# Altium PCB spd150.PcbDoc (part 3 of 16)
Units mm, origin at the board's own origin, x right, y up, seen from the top; angles counter-clockwise.
Board outline 217.35 x 147.5 mm, 10 copper layers (TOP, LYR2-PLN, LYR3-SIG, LYR4-SIG, LYR5-PLN, LYR6-PLN, LYR7-SIG, LYR8-SIG, LYR9-PLN, BOTTOM), stack 2.134 mm thick; 1065 components, 972 nets, 4226 pads, 2810 vias.
Unrouted connection lines stored in the file: 16.
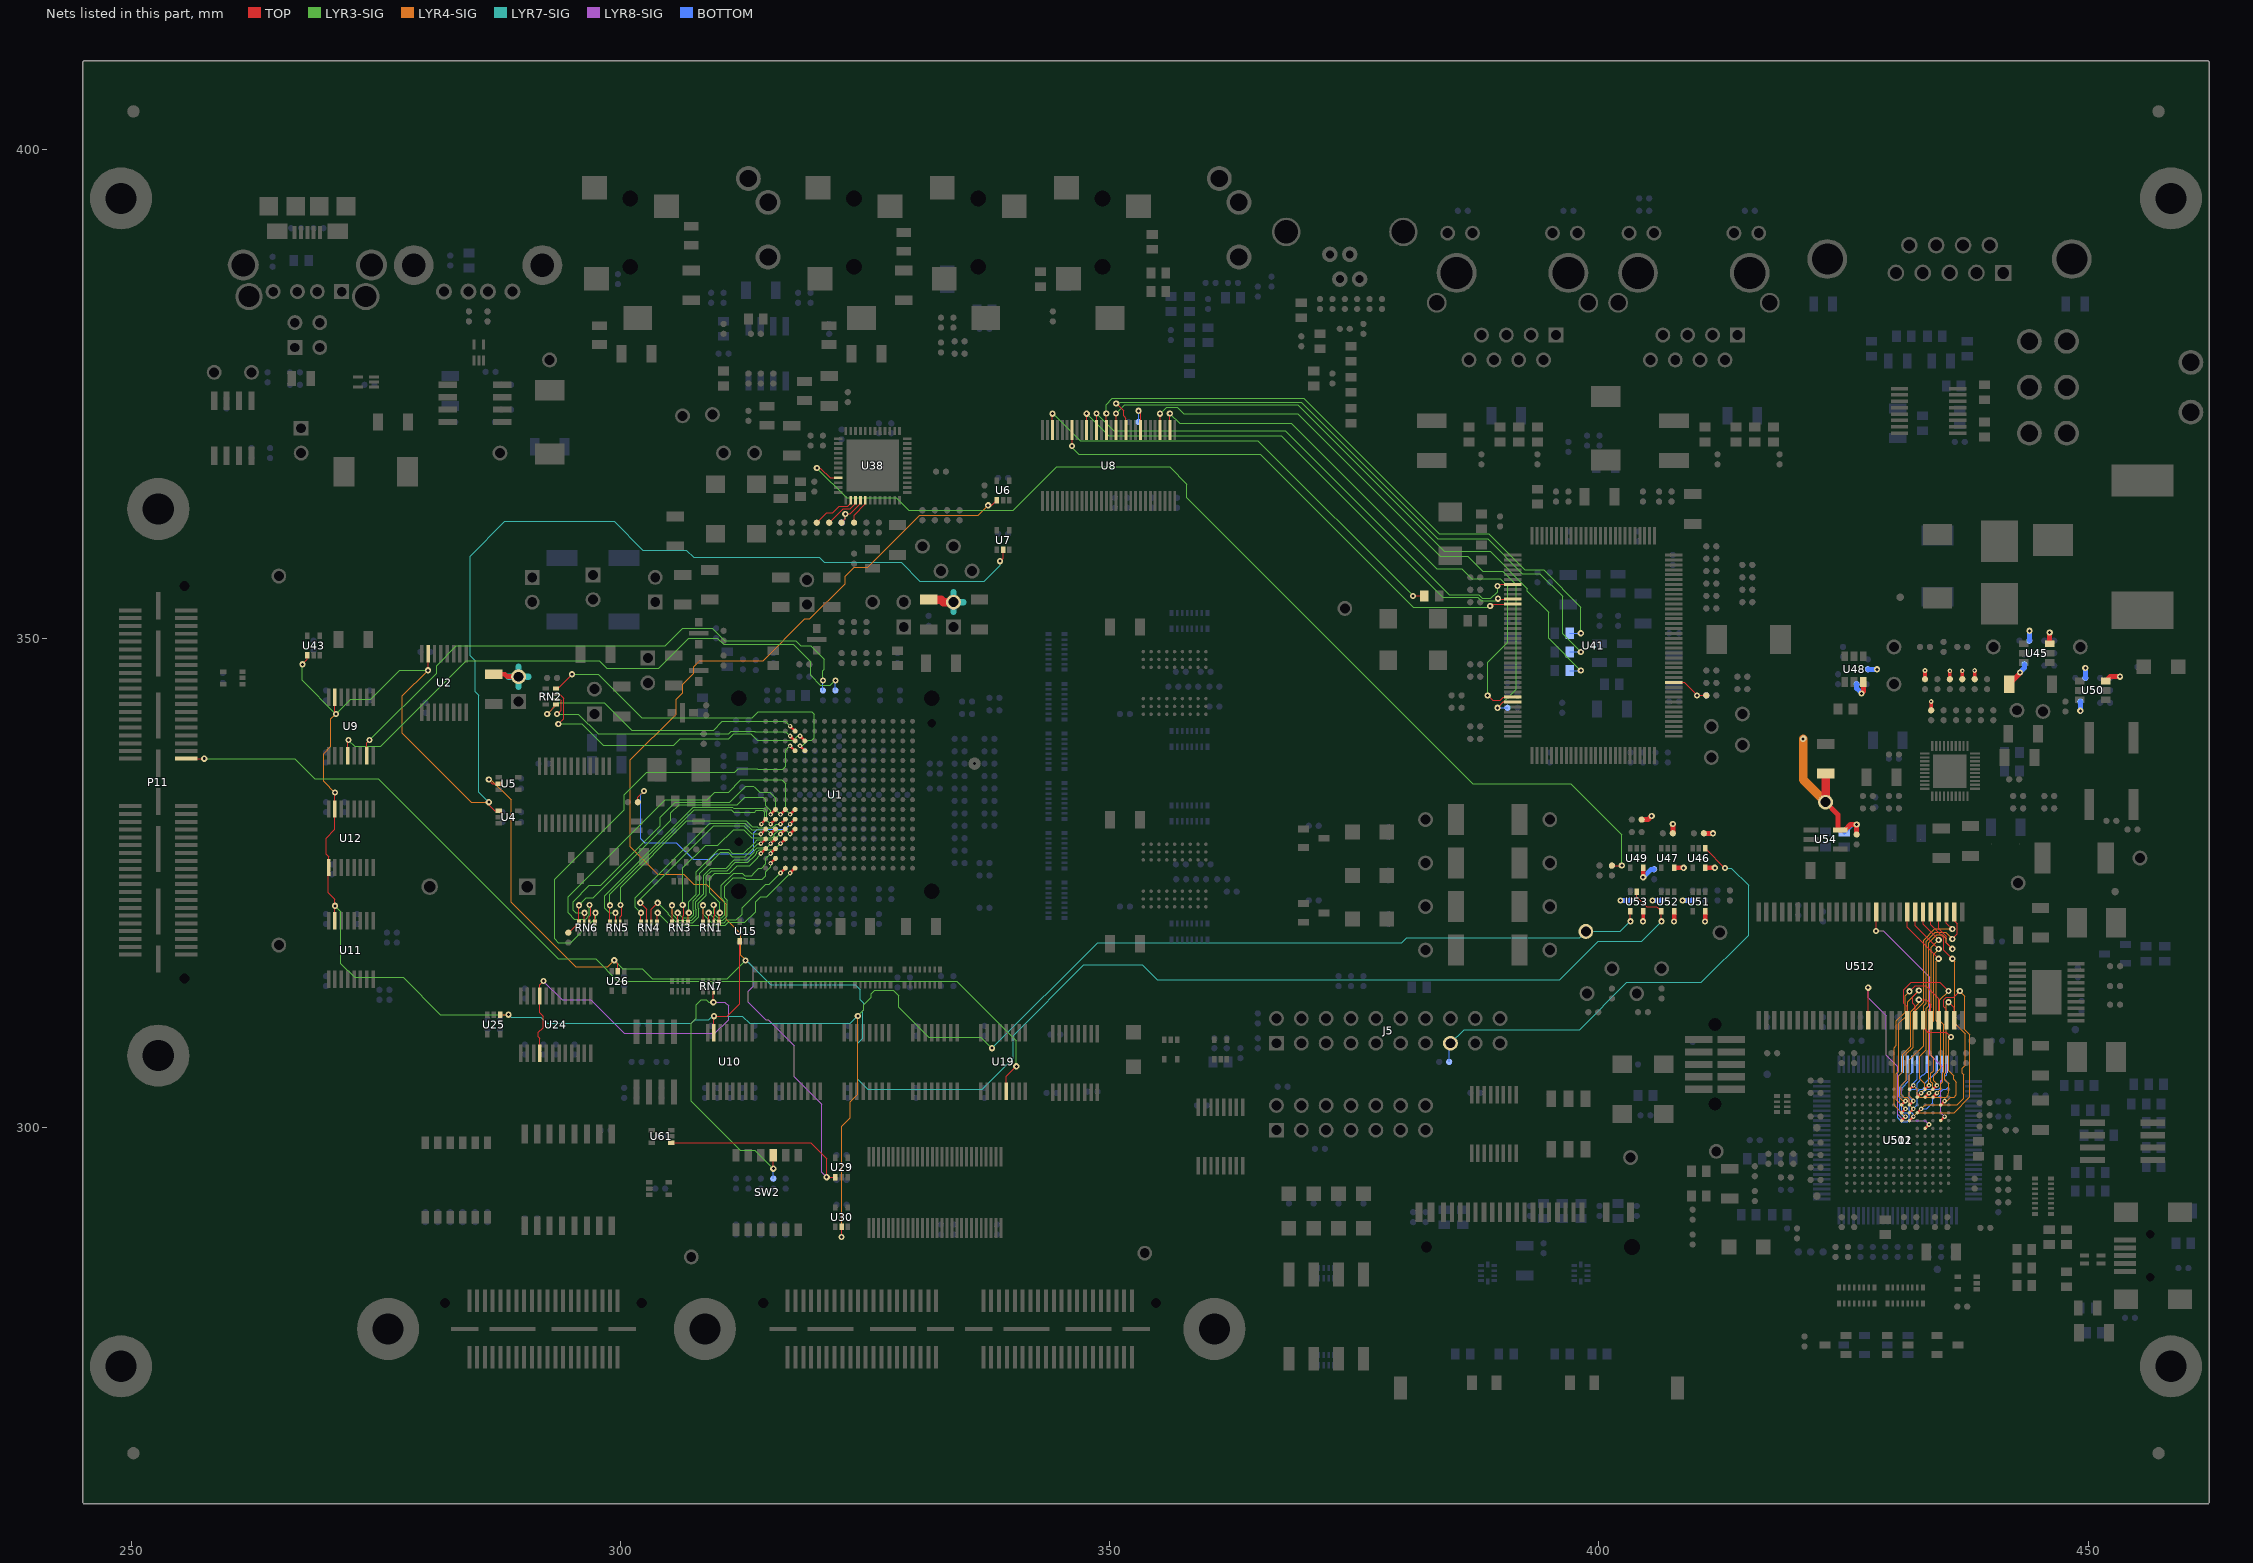
[diagram p11: the nets of this part, all layers, seen from the top]

## Footprints (in the part's own frame and the unit in brackets; to place one, negate y for a bottom-side part, rotate by r counter-clockwise, add the part's x,y. Pads: shape width x height; smd on the part's side, far side on the other; paste and mask are expansions set on the pad) (continued)
RSB40-9X39 [mil] "RSB40-9X39"
  rrect0% 9x39 smd: 1(-70.8,-101) 2(-55.1,-101) 3(-39.4,-101) 4(-23.6,-101) 5(-7.9,-101) 6(7.9,-101) 7(23.6,-101) 8(39.4,-101) 9(55.1,-101) 10(70.8,-101) 21(70.8,101) 22(55.1,101) 23(39.4,101) 24(23.6,101) 25(7.9,101) 26(-7.9,101) 27(-23.6,101) 28(-39.4,101) 29(-55.1,101) 30(-70.8,101)
  rrect0% 39x9 smd: 11(101,-70.8) 12(101,-55.1) 13(101,-39.4) 14(101,-23.6) 15(101,-7.9) 16(101,7.9) 17(101,23.6) 18(101,39.4) 19(101,55.1) 20(101,70.8) 31(-101,70.8) 32(-101,55.1) 33(-101,39.4) 34(-101,23.6) 35(-101,7.9) 36(-101,-7.9) 37(-101,-23.6) 38(-101,-39.4) 39(-101,-55.1) 40(-101,-70.8)
  rect 136x136 smd: 41(0,0)
  silkscreen extent -101,-101 101,101
RSE10 [mil] "RSE10"
  rect 12x23 smd: 1(29.5,27.5) 4(-30.5,27.5) 6(-30.5,-26.5) 9(29.5,-26.5)
  rect 10x23 smd: 2(9.5,27.5) 3(-10.5,27.5) 7(-10.5,-26.5) 8(9.5,-26.5)
  rect 25x14 smd: 5(-34.5,0.5) 10(33.5,0.5)
  silkscreen extent -40,-31 74,55
SAMTEC-MUSB [mil] "SAMTEC-MUSB"
  rect 20x90 smd: 1(-63,147.5) 2(-31.5,147.5) 3(0,147.5) 4(31.5,147.5) 5(63,147.5)
  rect 79x98 smd: 6(-175,143.5) 7(175,143.5) 8(-175,-73.5) 9(175,-73.5)
  round 20 / inner round 80 / far side round 20 hole 35: " "(-86.5,45.5) " "(86.5,45.5)
  Multi-Layer keep-out circle w1: c-86.5,45.5 r40
  Multi-Layer keep-out circle w1: c86.5,45.5 r40
  silkscreen extent -195,-190 195,176
SKT256-6064 [mil] "SKT256-6064"
  round 40 / inner round 93 / far side round 40 hole 63: " "(-388.3,-388.3) " "(-388.3,388.3) " "(388.3,-388.3) " "(388.3,388.3)
  round 20 / inner round 80 / far side round 20 hole 34: " "(-388.3,-188.3) " "(388.3,288.3)
  round 20 smd: A1(-280.4,295.5) A2(-241,295.5) A3(-201.6,295.5) A4(-162.2,295.5) A5(-122.8,295.5) A6(-83.4,295.5) A7(-44,295.5) A8(-4.6,295.5) A9(34.8,295.5) A10(74.2,295.5) A11(113.6,295.5) A12(153,295.5) A13(192.4,295.5) A14(231.8,295.5) A15(271.2,295.5) A16(310.6,295.5) B1(-280.4,256.1) B2(-241,256.1) B3(-201.6,256.1) B4(-162.2,256.1) B5(-122.8,256.1) B6(-83.4,256.1) B7(-44,256.1) B8(-4.6,256.1) B9(34.8,256.1) B10(74.2,256.1) B11(113.6,256.1) B12(153,256.1) B13(192.4,256.1) B14(231.8,256.1) B15(271.2,256.1) B16(310.6,256.1) C1(-280.4,216.7) C2(-241,216.7) C3(-201.6,216.7) C4(-162.2,216.7) C5(-122.8,216.7) C6(-83.4,216.7) C7(-44,216.7) C8(-4.6,216.7) C9(34.8,216.7) C10(74.2,216.7) C11(113.6,216.7) C12(153,216.7) C13(192.4,216.7) C14(231.8,216.7) C15(271.2,216.7) C16(310.6,216.7) D1(-280.4,177.3) D2(-241,177.3) D3(-201.6,177.3) D4(-162.2,177.3) D5(-122.8,177.3) D6(-83.4,177.3) D7(-44,177.3) D8(-4.6,177.3) D9(34.8,177.3) D10(74.2,177.3) D11(113.6,177.3) D12(153,177.3) D13(192.4,177.3) D14(231.8,177.3) D15(271.2,177.3) D16(310.6,177.3) E1(-280.4,137.9) E2(-241,137.9) E3(-201.6,137.9) E4(-162.2,137.9) E5(-122.8,137.9) E6(-83.4,137.9) E7(-44,137.9) E8(-4.6,137.9) E9(34.8,137.9) E10(74.2,137.9) E11(113.6,137.9) E12(153,137.9) E13(192.4,137.9) E14(231.8,137.9) E15(271.2,137.9) E16(310.6,137.9) F1(-280.4,98.5) F2(-241,98.5) F3(-201.6,98.5) F4(-162.2,98.5) F5(-122.8,98.5) F6(-83.4,98.5) F7(-44,98.5) F8(-4.6,98.5) F9(34.8,98.5) F10(74.2,98.5) F11(113.6,98.5) F12(153,98.5) F13(192.4,98.5) F14(231.8,98.5) F15(271.2,98.5) F16(310.6,98.5) G1(-280.4,59.1) G2(-241,59.1) G3(-201.6,59.1) G4(-162.2,59.1) G5(-122.8,59.1) G6(-83.4,59.1) G7(-44,59.1) G8(-4.6,59.1) G9(34.8,59.1) G10(74.2,59.1) G11(113.6,59.1) G12(153,59.1) G13(192.4,59.1) G14(231.8,59.1) G15(271.2,59.1) G16(310.6,59.1) H1(-280.4,19.7) H2(-241,19.7) H3(-201.6,19.7) H4(-162.2,19.7) H5(-122.8,19.7) H6(-83.4,19.7) H7(-44,19.7) H8(-4.6,19.7) H9(34.8,19.7) H10(74.2,19.7) H11(113.6,19.7) H12(153,19.7) H13(192.4,19.7) H14(231.8,19.7) H15(271.2,19.7) H16(310.6,19.7) J1(-280.4,-19.7) J2(-241,-19.7) J3(-201.6,-19.7) J4(-162.2,-19.7) J5(-122.8,-19.7) J6(-83.4,-19.7) J7(-44,-19.7) J8(-4.6,-19.7) J9(34.8,-19.7) J10(74.2,-19.7) J11(113.6,-19.7) J12(153,-19.7) J13(192.4,-19.7) J14(231.8,-19.7) J15(271.2,-19.7) J16(310.6,-19.7) K1(-280.4,-59.1) K2(-241,-59.1) K3(-201.6,-59.1) K4(-162.2,-59.1) K5(-122.8,-59.1) K6(-83.4,-59.1) K7(-44,-59.1) K8(-4.6,-59.1) K9(34.8,-59.1) K10(74.2,-59.1) K11(113.6,-59.1) K12(153,-59.1) K13(192.4,-59.1) K14(231.8,-59.1) K15(271.2,-59.1) K16(310.6,-59.1) L1(-280.4,-98.5) L2(-241,-98.5) L3(-201.6,-98.5) L4(-162.2,-98.5) L5(-122.8,-98.5) L6(-83.4,-98.5) L7(-44,-98.5) L8(-4.6,-98.5) L9(34.8,-98.5) L10(74.2,-98.5) L11(113.6,-98.5) L12(153,-98.5) L13(192.4,-98.5) L14(231.8,-98.5) L15(271.2,-98.5) L16(310.6,-98.5) M1(-280.4,-137.9) M2(-241,-137.9) M3(-201.6,-137.9) M4(-162.2,-137.9) M5(-122.8,-137.9) M6(-83.4,-137.9) M7(-44,-137.9) M8(-4.6,-137.9) M9(34.8,-137.9) M10(74.2,-137.9) M11(113.6,-137.9) M12(153,-137.9) M13(192.4,-137.9) M14(231.8,-137.9) M15(271.2,-137.9) M16(310.6,-137.9) N1(-280.4,-177.3) N2(-241,-177.3) N3(-201.6,-177.3) N4(-162.2,-177.3) N5(-122.8,-177.3) N6(-83.4,-177.3) N7(-44,-177.3) N8(-4.6,-177.3) N9(34.8,-177.3) N10(74.2,-177.3) N11(113.6,-177.3) N12(153,-177.3) N13(192.4,-177.3) N14(231.8,-177.3) N15(271.2,-177.3) N16(310.6,-177.3) P1(-280.4,-216.7) P2(-241,-216.7) P3(-201.6,-216.7) P4(-162.2,-216.7) P5(-122.8,-216.7) P6(-83.4,-216.7) P7(-44,-216.7) P8(-4.6,-216.7) P9(34.8,-216.7) P10(74.2,-216.7) P11(113.6,-216.7) P12(153,-216.7) P13(192.4,-216.7) P14(231.8,-216.7) P15(271.2,-216.7) P16(310.6,-216.7) R1(-280.4,-256.1) R2(-241,-256.1) R3(-201.6,-256.1) R4(-162.2,-256.1) R5(-122.8,-256.1) R6(-83.4,-256.1) R7(-44,-256.1) R8(-4.6,-256.1) R9(34.8,-256.1) R10(74.2,-256.1) R11(113.6,-256.1) R12(153,-256.1) R13(192.4,-256.1) R14(231.8,-256.1) R15(271.2,-256.1) R16(310.6,-256.1) T1(-280.4,-295.5) T2(-241,-295.5) T3(-201.6,-295.5) T4(-162.2,-295.5) T5(-122.8,-295.5) T6(-83.4,-295.5) T7(-44,-295.5) T8(-4.6,-295.5) T9(34.8,-295.5) T10(74.2,-295.5) T11(113.6,-295.5) T12(153,-295.5) T13(192.4,-295.5) T14(231.8,-295.5) T15(271.2,-295.5) T16(310.6,-295.5)
  silkscreen extent -440,-440 440,440
SMC-80X128 [mil] "SMC-80X128"
  rect 80x128 smd: 1(123,0) 2(-123,0)
  silkscreen extent -140,-120 140,120
SO8-25X75#1 [mil] "SO8-25X75"
  rrect0% 25x75 smd: 1(-75,-110) 2(-25,-110) 3(25,-110) 4(75,-110) 5(75,110) 6(25,110) 7(-25,110) 8(-75,110)
  silkscreen extent -125,-75 125,75
SO8-25X75#2 [mil] "SO8-25X75"
  rrect0% 25x75 smd: 1(75,110) 2(25,110) 3(-25,110) 4(-75,110) 5(-75,-110) 6(-25,-110) 7(25,-110) 8(75,-110)
  silkscreen extent -125,-75 125,75
SO8-25X75-295 [mil] "SO8-25X75-295"
  rrect0% 25x100 smd: 1(-75,-121.5) 2(-25,-121.5) 3(25,-121.5) 4(75,-121.5) 5(75,121.5) 6(25,121.5) 7(-25,121.5) 8(-75,121.5)
  silkscreen extent -125,-75 125,75
SO16-25X75-300 [mil] "SO16-25X75-300"
  rrect0% 25x75 smd: 1(-175,-185) 2(-125,-185) 3(-75,-185) 4(-25,-185) 5(25,-185) 6(75,-185) 7(125,-185) 8(175,-185) 9(175,185) 10(125,185) 11(75,185) 12(25,185) 13(-25,185) 14(-75,185) 15(-125,185) 16(-175,185)
  silkscreen extent -210,-155 210,155
SOT23-3 [mil] "SOT23-3"
  rect 28x44 smd: 1(-38,-42) 2(38,-42) 3(0,42)
  Multi-Layer keep-out region: -20,20 20,20 20,-65 -20,-65 -20,20
  silkscreen extent -60,-30 60,30
SOT23-20X60-5 [mil] "SOT23-20X60-5"
  rect 20x60 smd: 1(-37.4,-59) 2(0,-59) 3(37.4,-59) 4(37.4,59) 5(-37.4,59)
  Multi-Layer keep-out region: -20,20 20,20 20,-65 -20,-65 -20,20
  silkscreen extent -60,-30 60,30
SOT23-28X44#1 [mil] "SOT23-28X44"
  rect 28x44 smd: 1(-38,-42) 2(38,-42) 3(0,42)
  Multi-Layer keep-out region: -20,20 20,20 20,-65 -20,-65 -20,20
  silkscreen extent -60,-30 60,30
SOT23-28X44#2 [mil] "SOT23-28X44"
  rect 28x44 smd: 1(38,42) 2(-38,42) 3(0,-42)
  Multi-Layer keep-out region: 20,-20 -20,-20 -20,65 20,65 20,-20
  silkscreen extent -60,-30 60,30
SOT23-28X44-GSD [mil] "SOT23-28X44-GSD"
  rect 28x44 smd: D(0,-42) G(38,42) S(-38,42)
  Multi-Layer keep-out region: 20,-20 -20,-20 -20,65 20,65 20,-20
  silkscreen extent -60,-30 60,30
ST_3500 [mil] "ST_3500"
  rect 100x94 smd: 1(-145,191) 2(-137,-176) 3(145,116)
  rect 115x98 smd: 4(30,-334)
  round 20 / inner round 100 / far side round 20 hole 63: 5(0,147) 6(0,-128)
  silkscreen extent -118,-285 118,385
SW4-44X96-CTS [mil] "SW4-44X96-CTS"
  rect 44x96 smd: 1(-150,-170) 2(-50,-170) 3(50,-170) 4(150,-170) 5(150,170) 6(50,170) 7(-50,170) 8(-150,170)
  silkscreen extent -225,-250 225,200
SW6-30X50-TDA [mil] "SW6-30X50-TDA"
  rect 30x50 smd: 1(-125,-150) 2(-75,-150) 3(-25,-150) 4(25,-150) 5(75,-150) 6(125,-150) 7(125,150) 8(75,150) 9(25,150) 10(-25,150) 11(-75,150) 12(-125,150)
  silkscreen extent -225,-150 175,150
SW6-40X67_GW [mil] "SW6-40X67_GW"
  rect 40x67 smd: 1(-69,-102) 2(0,-102) 3(69,-102) 4(-69,102) 5(0,102) 6(69,102)
  silkscreen extent -180,-83 108,83
SW-40X126-EVQP1 [mil] "SW-40X126-EVQP1"
  rect 40x126 smd: A(-89,-134) A1(-89,134) B(89,-134) B1(89,134)
  silkscreen extent -120,-120 120,120
SW-7201-DPDT-10073 [mil] "SW-7201-DPDT-10073"
  round 100 hole 70: 1(-185,-432.5) 2(0,-432.5) 3(185,-432.5) 4(-185,-582.5) 5(0,-582.5) 6(185,-582.5) 7(-100,67.5) 8(100,67.5)
  silkscreen extent -250,-333 250,368
TP1-50X25 [mil] "TP1-50X25"
  round 50 / inner round 25 / far side round 25 hole 12: 1(0,0)
TP1-6040 [mil] "TP1-6040"
  round 60 hole 40: 1(0,0)
  silkscreen extent -50,-50 50,50
TP30 [mil] "TP30"
  round 30 smd: 1(0,0)
TQFP-100 [mil] "TQFP-100"
  rrect0% 11x70 smd: 1(236.4,305) 2(216.7,305) 3(197,305) 4(177.3,305) 5(157.6,305) 6(137.9,305) 7(118.2,305) 8(98.5,305) 9(78.8,305) 10(59.1,305) 11(39.4,305) 12(19.7,305) 13(0,305) 14(-19.7,305) 15(-39.4,305) 16(-59.1,305) 17(-78.8,305) 18(-98.5,305) 19(-118.2,305) 20(-137.9,305) 21(-157.6,305) 22(-177.3,305) 23(-197,305) 24(-216.7,305) 25(-236.4,305) 51(-236.4,-305) 52(-216.7,-305) 53(-197,-305) 54(-177.3,-305) 55(-157.6,-305) 56(-137.9,-305) 57(-118.2,-305) 58(-98.5,-305) 59(-78.8,-305) 60(-59.1,-305) 61(-39.4,-305) 62(-19.7,-305) 63(0,-305) 64(19.7,-305) 65(39.4,-305) 66(59.1,-305) 67(78.8,-305) 68(98.5,-305) 69(118.2,-305) 70(137.9,-305) 71(157.6,-305) 72(177.3,-305) 73(197,-305) 74(216.7,-305) 75(236.4,-305)
  rrect0% 70x11 smd: 26(-305,236.4) 27(-305,216.7) 28(-305,197) 29(-305,177.3) 30(-305,157.6) 31(-305,137.9) 32(-305,118.2) 33(-305,98.5) 34(-305,78.8) 35(-305,59.1) 36(-305,39.4) 37(-305,19.7) 38(-305,0) 39(-305,-19.7) 40(-305,-39.4) 41(-305,-59.1) 42(-305,-78.8) 43(-305,-98.5) 44(-305,-118.2) 45(-305,-137.9) 46(-305,-157.6) 47(-305,-177.3) 48(-305,-197) 49(-305,-216.7) 50(-305,-236.4) 76(305,-236.4) 77(305,-216.7) 78(305,-197) 79(305,-177.3) 80(305,-157.6) 81(305,-137.9) 82(305,-118.2) 83(305,-98.5) 84(305,-78.8) 85(305,-59.1) 86(305,-39.4) 87(305,-19.7) 88(305,0) 89(305,19.7) 90(305,39.4) 91(305,59.1) 92(305,78.8) 93(305,98.5) 94(305,118.2) 95(305,137.9) 96(305,157.6) 97(305,177.3) 98(305,197) 99(305,216.7) 100(305,236.4)
  silkscreen extent -276,-276 345,410
TSOP54-MICRON-18X75 [mil] "TSOP54-MICRON-18X75"
  rrect0% 18x75 smd: 1(-409.5,-218) 2(-378,-218) 3(-346.5,-218) 4(-315,-218) 5(-283.5,-218) 6(-252,-218) 7(-220.5,-218) 8(-189,-218) 9(-157.5,-218) 10(-126,-218) 11(-94.5,-218) 12(-63,-218) 13(-31.5,-218) 14(0,-218) 15(31.5,-218) 16(63,-218) 17(94.5,-218) 18(126,-218) 19(157.5,-218) 20(189,-218) 21(220.5,-218) 22(252,-218) 23(283.5,-218) 24(315,-218) 25(346.5,-218) 26(378,-218) 27(409.5,-218) 28(409.5,218) 29(378,218) 30(346.5,218) 31(315,218) 32(283.5,218) 33(252,218) 34(220.5,218) 35(189,218) 36(157.5,218) 37(126,218) 38(94.5,218) 39(63,218) 40(31.5,218) 41(0,218) 42(-31.5,218) 43(-63,218) 44(-94.5,218) 45(-126,218) 46(-157.5,218) 47(-189,218) 48(-220.5,218) 49(-252,218) 50(-283.5,218) 51(-315,218) 52(-346.5,218) 53(-378,218) 54(-409.5,218)
  silkscreen extent -438,-200 438,200
TSSOP16-14X70 [mil] "TSSOP16-14X70"
  rrect0% 14x70 smd: 1(-89.6,-117.6) 2(-64,-117.6) 3(-38.4,-117.6) 4(-12.8,-117.6) 5(12.8,-117.6) 6(38.4,-117.6) 7(64,-117.6) 8(89.6,-117.6) 9(89.6,117.6) 10(64,117.6) 11(38.4,117.6) 12(12.8,117.6) 13(-12.8,117.6) 14(-38.4,117.6) 15(-64,117.6) 16(-89.6,117.6)
  silkscreen extent -100,-90 100,90
USB_A_SH [mil] "USB_A_SH"
  round 65 hole 40: 1(-137.1,235.7) 2(-38.7,235.7) 3(40.1,235.7) 4(138.5,235.7)
  round 160 hole 95: 5(-258,129) 6(259.4,129)
  silkscreen extent -258,-276 258,276
USB_TRIPL-REV2 [mil] "USB_TRIPL-REV2"
  round 110 hole 86: 1(-235,160) 2(235,160)
  rect 60x60 hole 38: 1A(-138,140) 1B(50,365)
  rect 16x53 smd: 1AB(-51,-97.5) 2AB(-25.5,-97.5) 3AB(0,-97.5) 4AB(25.5,-97.5) 5AB(51,-97.5)
  round 60 hole 38: 2A(-40,140) 2B(-50,365) 3A(40,140) 3B(-50,265) 4A(138,140) 4B(50,265)
  round 125 hole 93: 3(-258,33) 4(258,33)
  rect 83x63 smd: 5(-121.9,-102.5) 6(121.9,-102.5)
  rect 75x75 smd: 7(-155.4,-202.9) 8(-47.3,-202.9) 9(47.3,-202.9) 10(155.4,-202.9)
  silkscreen extent -258,-372 258,375
XTAL2-75X94 [mil] "XTAL2-75X94"
  rect 75x95 smd: 1(-88,0) 2(88,0)
  silkscreen extent -120,-70 120,70
XTAL4-23X47-SSP-T7 [mil] "XTAL4-23X47-SSP-T7"
  rect 47x23 smd: 1(-124,-17.5) 2(124,-17.5) 3(124,17.5) 4(-124,17.5)
  silkscreen extent -132,-30 132,30
XTAL4-70X78-CTX [mil] "XTAL4-70X78-CTX"
  rect 70x78 smd: 1(-100,-82.5) 2(100,-82.5) 3(100,82.5) 4(-100,82.5)
  silkscreen extent -150,-100 150,100

## Free pads (board coordinates)
  round 1.27 all layers, no hole: 1(250.19,266.7) 1(250.19,403.86) 1(457.2,266.7) 1(457.2,403.86)

## Via types
v1: diameter 0.635, hole 0.305, TOP to BOTTOM, 2018 vias
v2: diameter 0.483, hole 0.203, TOP to BOTTOM, 651 vias
v3: diameter 0.508, hole 0.254, TOP to BOTTOM, 120 vias
v4: diameter 0.559, hole 0.254, TOP to BOTTOM, 21 vias

## Nets (pads, with @x,y where several pads share a name; then routed paths per layer and width w, separated by ;. In a path a pad name is that pad's centre, name@x,y a point inside that pad or via, vN(x,y) a via of type N, cw(c..) or ccw(c..) an arc to the next point about the centre after c; other vN are vias at no path point)
A1: U502.M7 U511.14 U512.23 | length 24.9
  TOP w0.127: v1(432.689,313.055) 433.451,313.055 433.921,312.585 U512.23@433.921,310.947
  TOP w0.254: U502.M7@430.931,302.306 v2(431.33,302.704)
  LYR4-SIG w0.102: 431.038,306.578 431.038,305.689 430.644,305.295 430.644,303.162 431.101,302.704 v2(431.33,302.704)
  LYR4-SIG w0.127: 431.038,306.578 431.038,307.495 431.856,308.313 431.856,311.841 432.689,312.674 v1(432.689,313.055)
  BOTTOM w0.102: U511.14@431.03,306.451 431.03,305.681 430.527,305.178 430.527,300.993 430.911,300.609 431.546,300.609 431.724,300.787 431.724,301.269 431.495,301.498 431.178,301.498 430.936,301.739 430.936,302.311 v2(431.33,302.704)
A2: U502.K7 U511.15 U512.24 | length 26.5
  TOP w0.127: v1(431.749,313.919) 432.333,314.503 433.4,314.503 434.721,313.182 U512.24@434.721,310.947
  TOP w0.254: U502.K7@430.931,300.706 v2(431.33,301.104)
  LYR4-SIG w0.102: 430.172,306.578 430.172,302.263 v2(431.33,301.104)
  LYR4-SIG w0.127: 430.172,306.578 430.172,308.168 430.403,308.399 430.403,310.896 431.292,311.785 431.292,313.461 v1(431.749,313.919)
  BOTTOM w0.102: v2(431.33,301.104) 431.178,301.104 430.731,301.551 430.731,304.112 431.531,304.912 U511.15@431.531,306.451
A3: U502.K6 U511.16 U512.25 | length 29.2
  TOP w0.127: U512.25@435.521,310.947 435.521,312.039 435.229,312.331 435.229,313.055 435.483,313.309 436.245,313.309 v1(436.88,313.944)
  TOP w0.254: U502.K6@431.731,300.706 v2(432.13,301.104)
  LYR4-SIG w0.102: v2(432.13,301.104) 432.537,301.511 436.296,301.511 437.909,303.124 437.909,306.565 437.896,306.578
  LYR4-SIG w0.127: v1(436.88,313.944) 437.388,313.436 437.388,310.007 437.896,309.499 437.896,306.578
  BOTTOM w0.102: U511.16@432.031,306.451 432.031,305.666 431.734,305.369 431.734,304.825 430.934,304.025 430.934,303.329 431.165,303.098 431.495,303.098 431.724,302.87 431.724,301.752 432.13,301.346 v2(432.13,301.104)
A4: U502.P6 U511.17 U512.26 | length 19.3
  TOP w0.127: v1(435.737,312.801) 436.321,312.217 U512.26@436.321,310.947
  TOP w0.254: U502.P6@431.731,303.906 v2(432.13,304.305)
  LYR4-SIG w0.102: v2(432.13,304.305) 432.524,303.911 432.524,303.339 432.765,303.098 435.483,303.098 435.724,303.339 435.724,303.517 435.737,303.53 435.737,304.495 435.343,304.889 435.343,305.514 435.483,305.653 435.483,306.578
  LYR4-SIG w0.127: 435.483,306.578 435.483,312.547 v1(435.737,312.801)
  BOTTOM w0.102: v2(432.13,304.305) 432.13,304.546 432.524,304.94 432.524,305.3 432.532,305.308 U511.17@432.532,306.451
A5: U502.M6 U511.19 U512.29 | length 29.1
  TOP w0.127: v1(436.118,319.278) 436.626,319.786 436.626,320.802 436.321,321.107 U512.29@436.321,322.021
  TOP w0.254: U502.M6@431.731,302.306 v2(432.13,302.704)
  LYR4-SIG w0.102: 431.724,306.578 431.724,303.225 432.13,302.819 v2(432.13,302.704)
  LYR4-SIG w0.127: 431.724,306.578 431.724,306.901 433.197,308.374 433.197,312.42 433.451,312.674 433.451,319.024 434.391,319.964 435.432,319.964 v1(436.118,319.278)
  BOTTOM w0.102: v2(432.13,302.704) 431.927,302.908 431.927,302.956 431.724,303.159 431.724,303.67 431.965,303.911 432.308,303.911 432.537,304.14 432.537,304.546 432.816,304.825 432.816,305.156 433.07,305.41 433.172,305.41 433.532,305.77 U511.19@433.532,306.451
A6: U502.L6 U511.21 U512.30 | length 30.6
  TOP w0.127: U512.30@435.521,322.021 435.521,320.891 v1(436.118,320.294)
  TOP w0.254: U502.L6@431.731,301.506 v2(432.13,301.904)
  LYR4-SIG w0.102: 431.419,306.578 431.432,306.565 431.432,304.813 430.911,304.292 430.911,303.362 431.175,303.098 431.495,303.098 431.724,302.87 431.724,302.311 v2(432.13,301.904)
  LYR4-SIG w0.127: 431.419,306.578 431.419,307.515 432.11,308.206 432.11,311.714 433.197,312.801 433.197,319.151 434.34,320.294 v1(436.118,320.294)
  BOTTOM w0.102: v2(432.13,301.904) 432.537,302.311 432.537,303.67 432.778,303.911 433.095,303.911 433.324,304.14 433.324,304.495 434.533,305.704 U511.21@434.533,306.451
A7: U502.N5 U511.22 U512.31 | length 29.3
  TOP w0.127: U512.31@434.721,322.021 434.721,320.294 435.483,319.532 435.483,318.897 v1(436.118,318.262)
  TOP w0.254: U502.N5@432.532,303.106 v2(432.93,303.505)
  LYR4-SIG w0.102: 432.791,306.578 432.791,305.003 433.324,304.47 433.324,303.898 v2(432.93,303.505)
  LYR4-SIG w0.127: 432.791,306.578 432.791,307.271 433.459,307.939 433.459,312.174 433.705,312.42 433.705,318.879 434.51,319.684 435.077,319.684 435.483,319.278 435.483,318.897 v1(436.118,318.262)
  BOTTOM w0.102: v2(432.93,303.505) 433.045,303.505 433.451,303.911 434.708,303.911 434.929,304.132 434.929,304.673 435.107,304.851 435.107,305.43 435.033,305.504 U511.22@435.033,306.451
A8: U502.L5 U511.23 U512.32 | length 32.7
  TOP w0.127: U512.32@433.921,322.021 433.921,320.713 435.229,319.405 435.229,318.135 v1(436.118,317.246)
  TOP w0.254: U502.L5@432.532,301.506 v2(432.93,301.904)
  LYR4-SIG w0.102: v2(432.93,301.904) 433.337,302.311 436.601,302.311 437.274,302.984 437.274,305.371 437.121,305.524 437.121,306.057 437.439,306.375 437.439,306.578
  LYR4-SIG w0.127: v1(436.118,317.246) 436.372,316.992 436.372,310.662 437.439,309.596 437.439,306.578
  BOTTOM w0.102: v2(432.93,301.904) 433.489,301.904 434.137,302.552 434.137,302.87 434.365,303.098 434.683,303.098 434.937,303.352 434.937,303.67 435.166,303.898 435.496,303.898 435.737,304.14 435.737,304.47 435.343,304.863 435.343,305.219 435.534,305.41 U511.23@435.534,306.451
A9: U502.P4 U512.33 | length 19.4
  TOP w0.127: U512.33@433.121,322.021 433.121,320.777 v1(434.721,319.176)
  TOP w0.254: U502.P4@433.332,303.906 v2(433.73,304.305)
  LYR4-SIG w0.102: v2(433.73,304.305) 433.73,306.578
  LYR4-SIG w0.127: 433.73,306.578 433.73,312.039 433.959,312.268 433.959,318.414 v1(434.721,319.176)

## Text inside footprints (layer, text, board x,y; h text height)
R320: PIN_NUMBER "1" at 426.771,333.883 h0.51; PIN_NUMBER "2" at 427.787,333.883 h0.51; ASSEMBLY_TOP "NO-POP" at 427.482,333.883 h0.64; ASSEMBLY_TOP "TOLERANCE" at 427.482,331.343 h0.64; ASSEMBLY_TOP "USERPART#" at 427.482,330.073 h0.64; SYMBOL_PART_DIM "PAD 35X32 OV" at 424.358,329.108 h0.64; SYMBOL_PART_DIM "C402-35X32" at 424.358,330.378 h0.64; SYMBOL_PART_DIM "0" at 427.279,331.749 h0.64; SYMBOL_PART_DIM "0" at 425.145,333.553 h0.64
R321: PIN_NUMBER "2" at 427.787,332.613 h0.51; PIN_NUMBER "1" at 426.771,332.613 h0.51; ASSEMBLY_TOP "NO-POP" at 427.482,332.613 h0.64; ASSEMBLY_TOP "TOLERANCE" at 427.482,330.073 h0.64; ASSEMBLY_TOP "USERPART#" at 427.482,328.803 h0.64; SYMBOL_PART_DIM "PAD 35X32 OV" at 424.358,327.838 h0.64; SYMBOL_PART_DIM "C402-35X32" at 424.358,329.108 h0.64; SYMBOL_PART_DIM "0" at 427.279,330.479 h0.64; SYMBOL_PART_DIM "0" at 425.145,332.283 h0.64
R322: PIN_NUMBER "1" at 428.041,332.74 h0.51 r270; PIN_NUMBER "2" at 428.041,333.756 h0.51 r270; ASSEMBLY_BOTTOM "NO-POP" at 428.244,333.248 h0.64 r270; ASSEMBLY_BOTTOM "TOLERANCE" at 425.704,333.248 h0.64 r270; ASSEMBLY_BOTTOM "USERPART#" at 424.434,333.248 h0.64 r270; SYMBOL_PART_DIM "PAD 35X32 OV" at 423.469,330.124 h0.64 r270; SYMBOL_PART_DIM "C402-35X32" at 424.739,330.124 h0.64 r270; SYMBOL_PART_DIM "0" at 426.11,333.045 h0.64 r270; SYMBOL_PART_DIM "0" at 427.914,330.911 h0.64 r270
R323: PIN_NUMBER "1" at 385.077,331.47 h0.76; PIN_NUMBER "2" at 391.554,331.47 h0.76; SYMB_DIM "R2512-65x125" at 384.658,339.395 h0.91; SYMB_DIM "65X125REC" at 385.318,324.434 h0.91
R324: PIN_NUMBER "1" at 430.454,332.613 h0.51; PIN_NUMBER "2" at 429.438,332.613 h0.51; ASSEMBLY_BOTTOM "NO-POP" at 430.149,332.613 h0.64; ASSEMBLY_BOTTOM "TOLERANCE" at 430.149,330.073 h0.64; ASSEMBLY_BOTTOM "USERPART#" at 430.149,328.803 h0.64; SYMBOL_PART_DIM "PAD 35X32 OV" at 433.273,327.838 h0.64; SYMBOL_PART_DIM "C402-35X32" at 433.273,329.108 h0.64; SYMBOL_PART_DIM "0" at 430.352,330.479 h0.64; SYMBOL_PART_DIM "0" at 432.486,332.283 h0.64
R325: PIN_NUMBER "2" at 433.756,341.63 h0.51 r270; PIN_NUMBER "1" at 433.756,342.646 h0.51 r270; ASSEMBLY_TOP "10K" at 433.959,342.138 h0.64 r270; ASSEMBLY_TOP "TOLERANCE" at 431.419,342.138 h0.64 r270; ASSEMBLY_TOP "USERPART#" at 430.149,342.138 h0.64 r270; SYMBOL_PART_DIM "PAD 35X32 OV" at 429.184,345.262 h0.64 r270; SYMBOL_PART_DIM "C402-35X32" at 430.454,345.262 h0.64 r270; SYMBOL_PART_DIM "0" at 431.825,342.341 h0.64 r270; SYMBOL_PART_DIM "0" at 433.629,344.475 h0.64 r270
R326: PIN_NUMBER "2" at 433.121,344.805 h0.51 r270; PIN_NUMBER "1" at 433.121,345.821 h0.51 r270; ASSEMBLY_TOP "10K" at 433.324,345.313 h0.64 r270; ASSEMBLY_TOP "TOLERANCE" at 430.784,345.313 h0.64 r270; ASSEMBLY_TOP "USERPART#" at 429.514,345.313 h0.64 r270; SYMBOL_PART_DIM "PAD 35X32 OV" at 428.549,348.437 h0.64 r270; SYMBOL_PART_DIM "C402-35X32" at 429.819,348.437 h0.64 r270; SYMBOL_PART_DIM "0" at 431.19,345.516 h0.64 r270; SYMBOL_PART_DIM "0" at 432.994,347.65 h0.64 r270
R327: PIN_NUMBER "1" at 438.201,345.821 h0.51 r270; PIN_NUMBER "2" at 438.201,344.805 h0.51 r270; ASSEMBLY_TOP "2K" at 438.404,345.313 h0.64 r270; ASSEMBLY_TOP "TOLERANCE" at 435.864,345.313 h0.64 r270; ASSEMBLY_TOP "USERPART#" at 434.594,345.313 h0.64 r270; SYMBOL_PART_DIM "PAD 35X32 OV" at 433.629,348.437 h0.64 r270; SYMBOL_PART_DIM "C402-35X32" at 434.899,348.437 h0.64 r270; SYMBOL_PART_DIM "0" at 436.27,345.516 h0.64 r270; SYMBOL_PART_DIM "0" at 438.074,347.65 h0.64 r270
R328: PIN_NUMBER "2" at 436.931,344.805 h0.51 r270; PIN_NUMBER "1" at 436.931,345.821 h0.51 r270; ASSEMBLY_TOP "47K" at 437.134,345.313 h0.64 r270; ASSEMBLY_TOP "TOLERANCE" at 434.594,345.313 h0.64 r270; ASSEMBLY_TOP "USERPART#" at 433.324,345.313 h0.64 r270; SYMBOL_PART_DIM "PAD 35X32 OV" at 432.359,348.437 h0.64 r270; SYMBOL_PART_DIM "C402-35X32" at 433.629,348.437 h0.64 r270; SYMBOL_PART_DIM "0" at 435,345.516 h0.64 r270; SYMBOL_PART_DIM "0" at 436.804,347.65 h0.64 r270
R329: PIN_NUMBER "1" at 435.661,345.821 h0.51 r270; PIN_NUMBER "2" at 435.661,344.805 h0.51 r270; ASSEMBLY_TOP "10K" at 435.864,345.313 h0.64 r270; ASSEMBLY_TOP "TOLERANCE" at 433.324,345.313 h0.64 r270; ASSEMBLY_TOP "USERPART#" at 432.054,345.313 h0.64 r270; SYMBOL_PART_DIM "PAD 35X32 OV" at 431.089,348.437 h0.64 r270; SYMBOL_PART_DIM "C402-35X32" at 432.359,348.437 h0.64 r270; SYMBOL_PART_DIM "0" at 433.73,345.516 h0.64 r270; SYMBOL_PART_DIM "0" at 435.534,347.65 h0.64 r270
R330: PIN_NUMBER "2" at 440.106,342.646 h0.51 r90; PIN_NUMBER "1" at 440.106,341.63 h0.51 r90; ASSEMBLY_TOP "NO-POP" at 440.309,342.138 h0.64 r90; ASSEMBLY_TOP "TOLERANCE" at 442.849,342.138 h0.64 r90; ASSEMBLY_TOP "USERPART#" at 444.119,342.138 h0.64 r90; SYMBOL_PART_DIM "PAD 35X32 OV" at 445.084,339.014 h0.64 r90; SYMBOL_PART_DIM "C402-35X32" at 443.814,339.014 h0.64 r90; SYMBOL_PART_DIM "0" at 442.443,341.935 h0.64 r90; SYMBOL_PART_DIM "0" at 440.639,339.801 h0.64 r90
R331: PIN_NUMBER "1" at 446.329,333.883 h0.51 r180; PIN_NUMBER "2" at 445.313,333.883 h0.51 r180; ASSEMBLY_TOP "10K" at 446.024,333.883 h0.64 r180; ASSEMBLY_TOP "TOLERANCE" at 446.024,336.423 h0.64 r180; ASSEMBLY_TOP "USERPART#" at 446.024,337.693 h0.64 r180; SYMBOL_PART_DIM "PAD 35X32 OV" at 449.148,338.658 h0.64 r180; SYMBOL_PART_DIM "C402-35X32" at 449.148,337.388 h0.64 r180; SYMBOL_PART_DIM "0" at 446.227,336.017 h0.64 r180; SYMBOL_PART_DIM "0" at 448.361,334.213 h0.64 r180
R332: PIN_NUMBER "1" at 446.329,332.613 h0.51 r180; PIN_NUMBER "2" at 445.313,332.613 h0.51 r180; ASSEMBLY_TOP "10K" at 446.024,332.613 h0.64 r180; ASSEMBLY_TOP "TOLERANCE" at 446.024,335.153 h0.64 r180; ASSEMBLY_TOP "USERPART#" at 446.024,336.423 h0.64 r180; SYMBOL_PART_DIM "PAD 35X32 OV" at 449.148,337.388 h0.64 r180; SYMBOL_PART_DIM "C402-35X32" at 449.148,336.118 h0.64 r180; SYMBOL_PART_DIM "0" at 446.227,334.747 h0.64 r180; SYMBOL_PART_DIM "0" at 448.361,332.943 h0.64 r180
R333: PIN_NUMBER "2" at 385.75,344.17 h0.51; PIN_NUMBER "1" at 384.734,344.17 h0.51; ASSEMBLY_TOP "0" at 385.445,344.17 h0.64; ASSEMBLY_TOP "TOLERANCE" at 385.445,341.63 h0.64; ASSEMBLY_TOP "USERPART#" at 385.445,340.36 h0.64; SYMBOL_PART_DIM "PAD 35X32 OV" at 382.321,339.395 h0.64; SYMBOL_PART_DIM "C402-35X32" at 382.321,340.665 h0.64; SYMBOL_PART_DIM "0" at 385.242,342.036 h0.64; SYMBOL_PART_DIM "0" at 383.108,343.84 h0.64
R334: PIN_NUMBER "1" at 447.472,342.519 h0.51 r90; PIN_NUMBER "2" at 447.472,343.535 h0.51 r90; ASSEMBLY_TOP "NO-POP" at 447.675,343.027 h0.64 r90; ASSEMBLY_TOP "TOLERANCE" at 450.215,343.027 h0.64 r90; ASSEMBLY_TOP "USERPART#" at 451.485,343.027 h0.64 r90; SYMBOL_PART_DIM "PAD 35X32 OV" at 452.45,339.903 h0.64 r90; SYMBOL_PART_DIM "C402-35X32" at 451.18,339.903 h0.64 r90; SYMBOL_PART_DIM "0" at 449.809,342.824 h0.64 r90; SYMBOL_PART_DIM "0" at 448.005,340.69 h0.64 r90
R335: PIN_NUMBER "2" at 403.149,331.47 h0.51 r180; PIN_NUMBER "1" at 404.165,331.47 h0.51 r180; ASSEMBLY_TOP "10K" at 403.86,331.47 h0.64 r180; ASSEMBLY_TOP "TOLERANCE" at 403.86,334.01 h0.64 r180; ASSEMBLY_TOP "USERPART#" at 403.86,335.28 h0.64 r180; SYMBOL_PART_DIM "PAD 35X32 OV" at 406.984,336.245 h0.64 r180; SYMBOL_PART_DIM "C402-35X32" at 406.984,334.975 h0.64 r180; SYMBOL_PART_DIM "0" at 404.063,333.604 h0.64 r180; SYMBOL_PART_DIM "0" at 406.197,331.8 h0.64 r180
R336: PIN_NUMBER "1" at 445.313,333.883 h0.51 r180; PIN_NUMBER "2" at 446.329,333.883 h0.51 r180; ASSEMBLY_BOTTOM "NO-POP" at 446.024,333.883 h0.64 r180; ASSEMBLY_BOTTOM "TOLERANCE" at 446.024,336.423 h0.64 r180; ASSEMBLY_BOTTOM "USERPART#" at 446.024,337.693 h0.64 r180; SYMBOL_PART_DIM "PAD 35X32 OV" at 442.9,338.658 h0.64 r180; SYMBOL_PART_DIM "C402-35X32" at 442.9,337.388 h0.64 r180; SYMBOL_PART_DIM "0" at 445.821,336.017 h0.64 r180; SYMBOL_PART_DIM "0" at 443.687,334.213 h0.64 r180
R337: PIN_NUMBER "1" at 445.313,332.613 h0.51 r180; PIN_NUMBER "2" at 446.329,332.613 h0.51 r180; ASSEMBLY_BOTTOM "NO-POP" at 446.024,332.613 h0.64 r180; ASSEMBLY_BOTTOM "TOLERANCE" at 446.024,335.153 h0.64 r180; ASSEMBLY_BOTTOM "USERPART#" at 446.024,336.423 h0.64 r180; SYMBOL_PART_DIM "PAD 35X32 OV" at 442.9,337.388 h0.64 r180; SYMBOL_PART_DIM "C402-35X32" at 442.9,336.118 h0.64 r180; SYMBOL_PART_DIM "0" at 445.821,334.747 h0.64 r180; SYMBOL_PART_DIM "0" at 443.687,332.943 h0.64 r180
R338: PIN_NUMBER "1" at 439.471,345.821 h0.51 r270; PIN_NUMBER "2" at 439.471,344.805 h0.51 r270; ASSEMBLY_TOP "10K" at 439.674,345.313 h0.64 r270; ASSEMBLY_TOP "TOLERANCE" at 437.134,345.313 h0.64 r270; ASSEMBLY_TOP "USERPART#" at 435.864,345.313 h0.64 r270; SYMBOL_PART_DIM "PAD 35X32 OV" at 434.899,348.437 h0.64 r270; SYMBOL_PART_DIM "C402-35X32" at 436.169,348.437 h0.64 r270; SYMBOL_PART_DIM "0" at 437.54,345.516 h0.64 r270; SYMBOL_PART_DIM "0" at 439.344,347.65 h0.64 r270
R339: PIN_NUMBER "1" at 443.154,332.613 h0.51 r180; PIN_NUMBER "2" at 442.138,332.613 h0.51 r180; ASSEMBLY_TOP "NO-POP" at 442.849,332.613 h0.64 r180; ASSEMBLY_TOP "TOLERANCE" at 442.849,335.153 h0.64 r180; ASSEMBLY_TOP "USERPART#" at 442.849,336.423 h0.64 r180; SYMBOL_PART_DIM "PAD 35X32 OV" at 445.973,337.388 h0.64 r180; SYMBOL_PART_DIM "C402-35X32" at 445.973,336.118 h0.64 r180; SYMBOL_PART_DIM "0" at 443.052,334.747 h0.64 r180; SYMBOL_PART_DIM "0" at 445.186,332.943 h0.64 r180
R340: PIN_NUMBER "1" at 443.154,333.883 h0.51 r180; PIN_NUMBER "2" at 442.138,333.883 h0.51 r180; ASSEMBLY_TOP "NO-POP" at 442.849,333.883 h0.64 r180; ASSEMBLY_TOP "TOLERANCE" at 442.849,336.423 h0.64 r180; ASSEMBLY_TOP "USERPART#" at 442.849,337.693 h0.64 r180; SYMBOL_PART_DIM "PAD 35X32 OV" at 445.973,338.658 h0.64 r180; SYMBOL_PART_DIM "C402-35X32" at 445.973,337.388 h0.64 r180; SYMBOL_PART_DIM "0" at 443.052,336.017 h0.64 r180; SYMBOL_PART_DIM "0" at 445.186,334.213 h0.64 r180
R341: PIN_NUMBER "1" at 442.138,332.613 h0.51 r180; PIN_NUMBER "2" at 443.154,332.613 h0.51 r180; ASSEMBLY_BOTTOM "1K" at 442.849,332.613 h0.64 r180; ASSEMBLY_BOTTOM "TOLERANCE" at 442.849,335.153 h0.64 r180; ASSEMBLY_BOTTOM "USERPART#" at 442.849,336.423 h0.64 r180; SYMBOL_PART_DIM "PAD 35X32 OV" at 439.725,337.388 h0.64 r180; SYMBOL_PART_DIM "C402-35X32" at 439.725,336.118 h0.64 r180; SYMBOL_PART_DIM "0" at 442.646,334.747 h0.64 r180; SYMBOL_PART_DIM "0" at 440.512,332.943 h0.64 r180
R342: PIN_NUMBER "1" at 438.836,341.63 h0.51 r90; PIN_NUMBER "2" at 438.836,342.646 h0.51 r90; ASSEMBLY_TOP "NO-POP" at 439.039,342.138 h0.64 r90; ASSEMBLY_TOP "TOLERANCE" at 441.579,342.138 h0.64 r90; ASSEMBLY_TOP "USERPART#" at 442.849,342.138 h0.64 r90; SYMBOL_PART_DIM "PAD 35X32 OV" at 443.814,339.014 h0.64 r90; SYMBOL_PART_DIM "C402-35X32" at 442.544,339.014 h0.64 r90; SYMBOL_PART_DIM "0" at 441.173,341.935 h0.64 r90; SYMBOL_PART_DIM "0" at 439.369,339.801 h0.64 r90
R343: PIN_NUMBER "1" at 441.731,335.585 h0.51; PIN_NUMBER "2" at 442.747,335.585 h0.51; ASSEMBLY_TOP "0" at 442.443,335.585 h0.64; ASSEMBLY_TOP "TOLERANCE" at 442.443,333.045 h0.64; ASSEMBLY_TOP "USERPART#" at 442.443,331.775 h0.64; SYMBOL_PART_DIM "PAD 35X32 OV" at 439.318,330.81 h0.64; SYMBOL_PART_DIM "C402-35X32" at 439.318,332.08 h0.64; SYMBOL_PART_DIM "0" at 442.239,333.451 h0.64; SYMBOL_PART_DIM "0" at 440.106,335.255 h0.64
R344: PIN_NUMBER "1" at 442.138,333.883 h0.51 r180; PIN_NUMBER "2" at 443.154,333.883 h0.51 r180; ASSEMBLY_BOTTOM "0" at 442.849,333.883 h0.64 r180; ASSEMBLY_BOTTOM "TOLERANCE" at 442.849,336.423 h0.64 r180; ASSEMBLY_BOTTOM "USERPART#" at 442.849,337.693 h0.64 r180; SYMBOL_PART_DIM "PAD 35X32 OV" at 439.725,338.658 h0.64 r180; SYMBOL_PART_DIM "C402-35X32" at 439.725,337.388 h0.64 r180; SYMBOL_PART_DIM "0" at 442.646,336.017 h0.64 r180; SYMBOL_PART_DIM "0" at 440.512,334.213 h0.64 r180
R345: PIN_NUMBER "1" at 452.679,331.343 h0.51 r180; PIN_NUMBER "2" at 451.663,331.343 h0.51 r180; ASSEMBLY_TOP "33" at 452.374,331.343 h0.64 r180; ASSEMBLY_TOP "TOLERANCE" at 452.374,333.883 h0.64 r180; ASSEMBLY_TOP "USERPART#" at 452.374,335.153 h0.64 r180; SYMBOL_PART_DIM "PAD 35X32 OV" at 455.498,336.118 h0.64 r180; SYMBOL_PART_DIM "C402-35X32" at 455.498,334.848 h0.64 r180; SYMBOL_PART_DIM "0" at 452.577,333.477 h0.64 r180; SYMBOL_PART_DIM "0" at 454.711,331.673 h0.64 r180
R346: PIN_NUMBER "2" at 443.789,349.758 h0.51 r180; PIN_NUMBER "1" at 442.773,349.758 h0.51 r180; ASSEMBLY_BOTTOM "10K" at 443.484,349.758 h0.64 r180; ASSEMBLY_BOTTOM "TOLERANCE" at 443.484,352.298 h0.64 r180; ASSEMBLY_BOTTOM "USERPART#" at 443.484,353.568 h0.64 r180; SYMBOL_PART_DIM "PAD 35X32 OV" at 440.36,354.533 h0.64 r180; SYMBOL_PART_DIM "C402-35X32" at 440.36,353.263 h0.64 r180; SYMBOL_PART_DIM "0" at 443.281,351.892 h0.64 r180; SYMBOL_PART_DIM "0" at 441.147,350.088 h0.64 r180
R347: PIN_NUMBER "1" at 445.313,349.758 h0.51 r180; PIN_NUMBER "2" at 446.329,349.758 h0.51 r180; ASSEMBLY_BOTTOM "0" at 446.024,349.758 h0.64 r180; ASSEMBLY_BOTTOM "TOLERANCE" at 446.024,352.298 h0.64 r180; ASSEMBLY_BOTTOM "USERPART#" at 446.024,353.568 h0.64 r180; SYMBOL_PART_DIM "PAD 35X32 OV" at 442.9,354.533 h0.64 r180; SYMBOL_PART_DIM "C402-35X32" at 442.9,353.263 h0.64 r180; SYMBOL_PART_DIM "0" at 445.821,351.892 h0.64 r180; SYMBOL_PART_DIM "0" at 443.687,350.088 h0.64 r180
R348: PIN_NUMBER "2" at 446.329,348.488 h0.51 r180; PIN_NUMBER "1" at 445.313,348.488 h0.51 r180; ASSEMBLY_BOTTOM "10K 1%" at 446.024,348.488 h0.64 r180; ASSEMBLY_BOTTOM "TOLERANCE" at 446.024,351.028 h0.64 r180; ASSEMBLY_BOTTOM "USERPART#" at 446.024,352.298 h0.64 r180; SYMBOL_PART_DIM "PAD 35X32 OV" at 442.9,353.263 h0.64 r180; SYMBOL_PART_DIM "C402-35X32" at 442.9,351.993 h0.64 r180; SYMBOL_PART_DIM "0" at 445.821,350.622 h0.64 r180; SYMBOL_PART_DIM "0" at 443.687,348.818 h0.64 r180
R349: PIN_NUMBER "2" at 427.279,346.837 h0.51 r90; PIN_NUMBER "1" at 427.279,347.853 h0.51 r90; ASSEMBLY_BOTTOM "10K" at 427.482,347.345 h0.64 r90; ASSEMBLY_BOTTOM "TOLERANCE" at 430.022,347.345 h0.64 r90; ASSEMBLY_BOTTOM "USERPART#" at 431.292,347.345 h0.64 r90; SYMBOL_PART_DIM "PAD 35X32 OV" at 432.257,350.469 h0.64 r90; SYMBOL_PART_DIM "C402-35X32" at 430.987,350.469 h0.64 r90; SYMBOL_PART_DIM "0" at 429.616,347.548 h0.64 r90; SYMBOL_PART_DIM "0" at 427.812,349.682 h0.64 r90
R350: PIN_NUMBER "1" at 424.028,342.773 h1.02; PIN_NUMBER "2" at 425.552,342.773 h1.02; ASSEMBLY_TOP "X" at 426.212,342.392 h1.02; ASSEMBLY_TOP "X" at 425.323,342.392 h1.02; ASSEMBLY_TOP "4.99K" at 424.561,342.392 h1.02; SYMB_DIM "0" at 421.513,342.265 h1.02; SYMB_DIM "0" at 424.688,339.217 h1.02; SYMB_DIM "R603-35X45" at 419.862,347.599 h1.02; SYMB_DIM "SP  35X45OV" at 429.895,341.376 h1.02; SYMB_DIM "SM  43X53OV" at 429.895,343.154 h1.02; SYMB_DIM "PAD 35X45OV" at 429.895,344.678 h1.02
R351: PIN_NUMBER "2" at 424.739,348.107 h0.51 r90; PIN_NUMBER "1" at 424.739,349.123 h0.51 r90; ASSEMBLY_BOTTOM "10K 1%" at 424.942,348.615 h0.64 r90; ASSEMBLY_BOTTOM "TOLERANCE" at 427.482,348.615 h0.64 r90; ASSEMBLY_BOTTOM "USERPART#" at 428.752,348.615 h0.64 r90; SYMBOL_PART_DIM "PAD 35X32 OV" at 429.717,351.739 h0.64 r90; SYMBOL_PART_DIM "C402-35X32" at 428.447,351.739 h0.64 r90; SYMBOL_PART_DIM "0" at 427.076,348.818 h0.64 r90; SYMBOL_PART_DIM "0" at 425.272,350.952 h0.64 r90
R352: PIN_NUMBER "1" at 401.117,326.771 h0.51 r270; PIN_NUMBER "2" at 401.117,325.755 h0.51 r270; ASSEMBLY_TOP "33" at 401.32,326.263 h0.64 r270; ASSEMBLY_TOP "TOLERANCE" at 398.78,326.263 h0.64 r270; ASSEMBLY_TOP "USERPART#" at 397.51,326.263 h0.64 r270; SYMBOL_PART_DIM "PAD 35X32 OV" at 396.545,329.387 h0.64 r270; SYMBOL_PART_DIM "C402-35X32" at 397.815,329.387 h0.64 r270; SYMBOL_PART_DIM "0" at 399.186,326.466 h0.64 r270; SYMBOL_PART_DIM "0" at 400.99,328.6 h0.64 r270
R353: PIN_NUMBER "2" at 449.504,345.948 h0.51 r180; PIN_NUMBER "1" at 448.488,345.948 h0.51 r180; ASSEMBLY_BOTTOM "10K" at 449.199,345.948 h0.64 r180; ASSEMBLY_BOTTOM "TOLERANCE" at 449.199,348.488 h0.64 r180; ASSEMBLY_BOTTOM "USERPART#" at 449.199,349.758 h0.64 r180; SYMBOL_PART_DIM "PAD 35X32 OV" at 446.075,350.723 h0.64 r180; SYMBOL_PART_DIM "C402-35X32" at 446.075,349.453 h0.64 r180; SYMBOL_PART_DIM "0" at 448.996,348.082 h0.64 r180; SYMBOL_PART_DIM "0" at 446.862,346.278 h0.64 r180
R354: PIN_NUMBER "1" at 401.117,326.771 h0.51 r90; PIN_NUMBER "2" at 401.117,325.755 h0.51 r90; ASSEMBLY_BOTTOM "33" at 401.32,326.263 h0.64 r90; ASSEMBLY_BOTTOM "TOLERANCE" at 403.86,326.263 h0.64 r90; ASSEMBLY_BOTTOM "USERPART#" at 405.13,326.263 h0.64 r90; SYMBOL_PART_DIM "PAD 35X32 OV" at 406.095,329.387 h0.64 r90; SYMBOL_PART_DIM "C402-35X32" at 404.825,329.387 h0.64 r90; SYMBOL_PART_DIM "0" at 403.454,326.466 h0.64 r90; SYMBOL_PART_DIM "0" at 401.65,328.6 h0.64 r90
R355: PIN_NUMBER "1" at 451.028,345.948 h0.51 r180; PIN_NUMBER "2" at 452.044,345.948 h0.51 r180; ASSEMBLY_BOTTOM "20K" at 451.739,345.948 h0.64 r180; ASSEMBLY_BOTTOM "TOLERANCE" at 451.739,348.488 h0.64 r180; ASSEMBLY_BOTTOM "USERPART#" at 451.739,349.758 h0.64 r180; SYMBOL_PART_DIM "PAD 35X32 OV" at 448.615,350.723 h0.64 r180; SYMBOL_PART_DIM "C402-35X32" at 448.615,349.453 h0.64 r180; SYMBOL_PART_DIM "0" at 451.536,348.082 h0.64 r180; SYMBOL_PART_DIM "0" at 449.402,346.278 h0.64 r180
R356: PIN_NUMBER "2" at 452.044,344.678 h0.51 r180; PIN_NUMBER "1" at 451.028,344.678 h0.51 r180; ASSEMBLY_BOTTOM "10K 1%" at 451.739,344.678 h0.64 r180; ASSEMBLY_BOTTOM "TOLERANCE" at 451.739,347.218 h0.64 r180; ASSEMBLY_BOTTOM "USERPART#" at 451.739,348.488 h0.64 r180; SYMBOL_PART_DIM "PAD 35X32 OV" at 448.615,349.453 h0.64 r180; SYMBOL_PART_DIM "C402-35X32" at 448.615,348.183 h0.64 r180; SYMBOL_PART_DIM "0" at 451.536,346.812 h0.64 r180; SYMBOL_PART_DIM "0" at 449.402,345.008 h0.64 r180
R357: PIN_NUMBER "1" at 399.847,326.771 h0.51 r270; PIN_NUMBER "2" at 399.847,325.755 h0.51 r270; ASSEMBLY_TOP "33" at 400.05,326.263 h0.64 r270; ASSEMBLY_TOP "TOLERANCE" at 397.51,326.263 h0.64 r270; ASSEMBLY_TOP "USERPART#" at 396.24,326.263 h0.64 r270; SYMBOL_PART_DIM "PAD 35X32 OV" at 395.275,329.387 h0.64 r270; SYMBOL_PART_DIM "C402-35X32" at 396.545,329.387 h0.64 r270; SYMBOL_PART_DIM "0" at 397.916,326.466 h0.64 r270; SYMBOL_PART_DIM "0" at 399.72,328.6 h0.64 r270
R358: PIN_NUMBER "1" at 399.847,326.771 h0.51 r90; PIN_NUMBER "2" at 399.847,325.755 h0.51 r90; ASSEMBLY_BOTTOM "33" at 400.05,326.263 h0.64 r90; ASSEMBLY_BOTTOM "TOLERANCE" at 402.59,326.263 h0.64 r90; ASSEMBLY_BOTTOM "USERPART#" at 403.86,326.263 h0.64 r90; SYMBOL_PART_DIM "PAD 35X32 OV" at 404.825,329.387 h0.64 r90; SYMBOL_PART_DIM "C402-35X32" at 403.555,329.387 h0.64 r90; SYMBOL_PART_DIM "0" at 402.184,326.466 h0.64 r90; SYMBOL_PART_DIM "0" at 400.38,328.6 h0.64 r90
R359: PIN_NUMBER "2" at 433.629,349.123 h0.51 r180; PIN_NUMBER "1" at 432.613,349.123 h0.51 r180; ASSEMBLY_BOTTOM "NO-POP" at 433.324,349.123 h0.64 r180; ASSEMBLY_BOTTOM "TOLERANCE" at 433.324,351.663 h0.64 r180; ASSEMBLY_BOTTOM "USERPART#" at 433.324,352.933 h0.64 r180; SYMBOL_PART_DIM "PAD 35X32 OV" at 430.2,353.898 h0.64 r180; SYMBOL_PART_DIM "C402-35X32" at 430.2,352.628 h0.64 r180; SYMBOL_PART_DIM "0" at 433.121,351.257 h0.64 r180; SYMBOL_PART_DIM "0" at 430.987,349.453 h0.64 r180
R360: PIN_NUMBER "2" at 436.423,349.123 h0.51 r180; PIN_NUMBER "1" at 437.439,349.123 h0.51 r180; ASSEMBLY_TOP "NO-POP" at 437.134,349.123 h0.64 r180; ASSEMBLY_TOP "TOLERANCE" at 437.134,351.663 h0.64 r180; ASSEMBLY_TOP "USERPART#" at 437.134,352.933 h0.64 r180; SYMBOL_PART_DIM "PAD 35X32 OV" at 440.258,353.898 h0.64 r180; SYMBOL_PART_DIM "C402-35X32" at 440.258,352.628 h0.64 r180; SYMBOL_PART_DIM "0" at 437.337,351.257 h0.64 r180; SYMBOL_PART_DIM "0" at 439.471,349.453 h0.64 r180
R361: PIN_NUMBER "2" at 435.026,348.615 h0.51 r270; PIN_NUMBER "1" at 435.026,349.631 h0.51 r270; ASSEMBLY_TOP "NO-POP" at 435.229,349.123 h0.64 r270; ASSEMBLY_TOP "TOLERANCE" at 432.689,349.123 h0.64 r270; ASSEMBLY_TOP "USERPART#" at 431.419,349.123 h0.64 r270; SYMBOL_PART_DIM "PAD 35X32 OV" at 430.454,352.247 h0.64 r270; SYMBOL_PART_DIM "C402-35X32" at 431.724,352.247 h0.64 r270; SYMBOL_PART_DIM "0" at 433.095,349.326 h0.64 r270; SYMBOL_PART_DIM "0" at 434.899,351.46 h0.64 r270
R362: PIN_NUMBER "2" at 436.423,349.123 h0.51; PIN_NUMBER "1" at 437.439,349.123 h0.51; ASSEMBLY_BOTTOM "NO-POP" at 437.134,349.123 h0.64; ASSEMBLY_BOTTOM "TOLERANCE" at 437.134,346.583 h0.64; ASSEMBLY_BOTTOM "USERPART#" at 437.134,345.313 h0.64; SYMBOL_PART_DIM "PAD 35X32 OV" at 440.258,344.348 h0.64; SYMBOL_PART_DIM "C402-35X32" at 440.258,345.618 h0.64; SYMBOL_PART_DIM "0" at 437.337,346.989 h0.64; SYMBOL_PART_DIM "0" at 439.471,348.793 h0.64
R363: PIN_NUMBER "2" at 411.912,323.215 h0.51 r90; PIN_NUMBER "1" at 411.912,324.231 h0.51 r90; ASSEMBLY_BOTTOM "2.2K" at 412.115,323.723 h0.64 r90; ASSEMBLY_BOTTOM "TOLERANCE" at 414.655,323.723 h0.64 r90; ASSEMBLY_BOTTOM "USERPART#" at 415.925,323.723 h0.64 r90; SYMBOL_PART_DIM "PAD 35X32 OV" at 416.89,326.847 h0.64 r90; SYMBOL_PART_DIM "C402-35X32" at 415.62,326.847 h0.64 r90; SYMBOL_PART_DIM "0" at 414.249,323.926 h0.64 r90; SYMBOL_PART_DIM "0" at 412.445,326.06 h0.64 r90
R364: PIN_NUMBER "2" at 435.026,348.615 h0.51 r90; PIN_NUMBER "1" at 435.026,349.631 h0.51 r90; ASSEMBLY_BOTTOM "NO-POP" at 435.229,349.123 h0.64 r90; ASSEMBLY_BOTTOM "TOLERANCE" at 437.769,349.123 h0.64 r90; ASSEMBLY_BOTTOM "USERPART#" at 439.039,349.123 h0.64 r90; SYMBOL_PART_DIM "PAD 35X32 OV" at 440.004,352.247 h0.64 r90; SYMBOL_PART_DIM "C402-35X32" at 438.734,352.247 h0.64 r90; SYMBOL_PART_DIM "0" at 437.363,349.326 h0.64 r90; SYMBOL_PART_DIM "0" at 435.559,351.46 h0.64 r90
R365: PIN_NUMBER "2" at 433.629,349.123 h0.51; PIN_NUMBER "1" at 432.613,349.123 h0.51; ASSEMBLY_TOP "NO-POP" at 433.324,349.123 h0.64; ASSEMBLY_TOP "TOLERANCE" at 433.324,346.583 h0.64; ASSEMBLY_TOP "USERPART#" at 433.324,345.313 h0.64; SYMBOL_PART_DIM "PAD 35X32 OV" at 430.2,344.348 h0.64; SYMBOL_PART_DIM "C402-35X32" at 430.2,345.618 h0.64; SYMBOL_PART_DIM "0" at 433.121,346.989 h0.64; SYMBOL_PART_DIM "0" at 430.987,348.793 h0.64
R366: PIN_NUMBER "2" at 440.639,353.505 h0.76 r90; PIN_NUMBER "1" at 440.639,359.981 h0.76 r90; SYMB_DIM "R2512-65x125" at 433.019,360.705 h0.91 r90; SYMB_DIM "65X125REC" at 447.98,360.045 h0.91 r90
R367: PIN_NUMBER "2" at 378.257,329.692 h0.51 r90; PIN_NUMBER "1" at 378.257,330.708 h0.51 r90; ASSEMBLY_BOTTOM "360" at 378.46,330.2 h0.64 r90; ASSEMBLY_BOTTOM "TOLERANCE" at 381,330.2 h0.64 r90; ASSEMBLY_BOTTOM "USERPART#" at 382.27,330.2 h0.64 r90; SYMBOL_PART_DIM "PAD 35X32 OV" at 383.235,333.324 h0.64 r90; SYMBOL_PART_DIM "C402-35X32" at 381.965,333.324 h0.64 r90; SYMBOL_PART_DIM "0" at 380.594,330.403 h0.64 r90; SYMBOL_PART_DIM "0" at 378.79,332.537 h0.64 r90